# Altium PCB DIOT_SMA16.PcbDoc (part 6 of 6)
Units mm, origin at the board's own origin, x right, y up, seen from the top; angles counter-clockwise.
Board outline 222.37 x 100 mm, 6 copper layers (TopLayer, MidLayer1, MidLayer2, Layer 1, Layer 2, Bottom Layer), stack 1.556 mm thick; 440 components, 301 nets, 1807 pads, 862 vias.
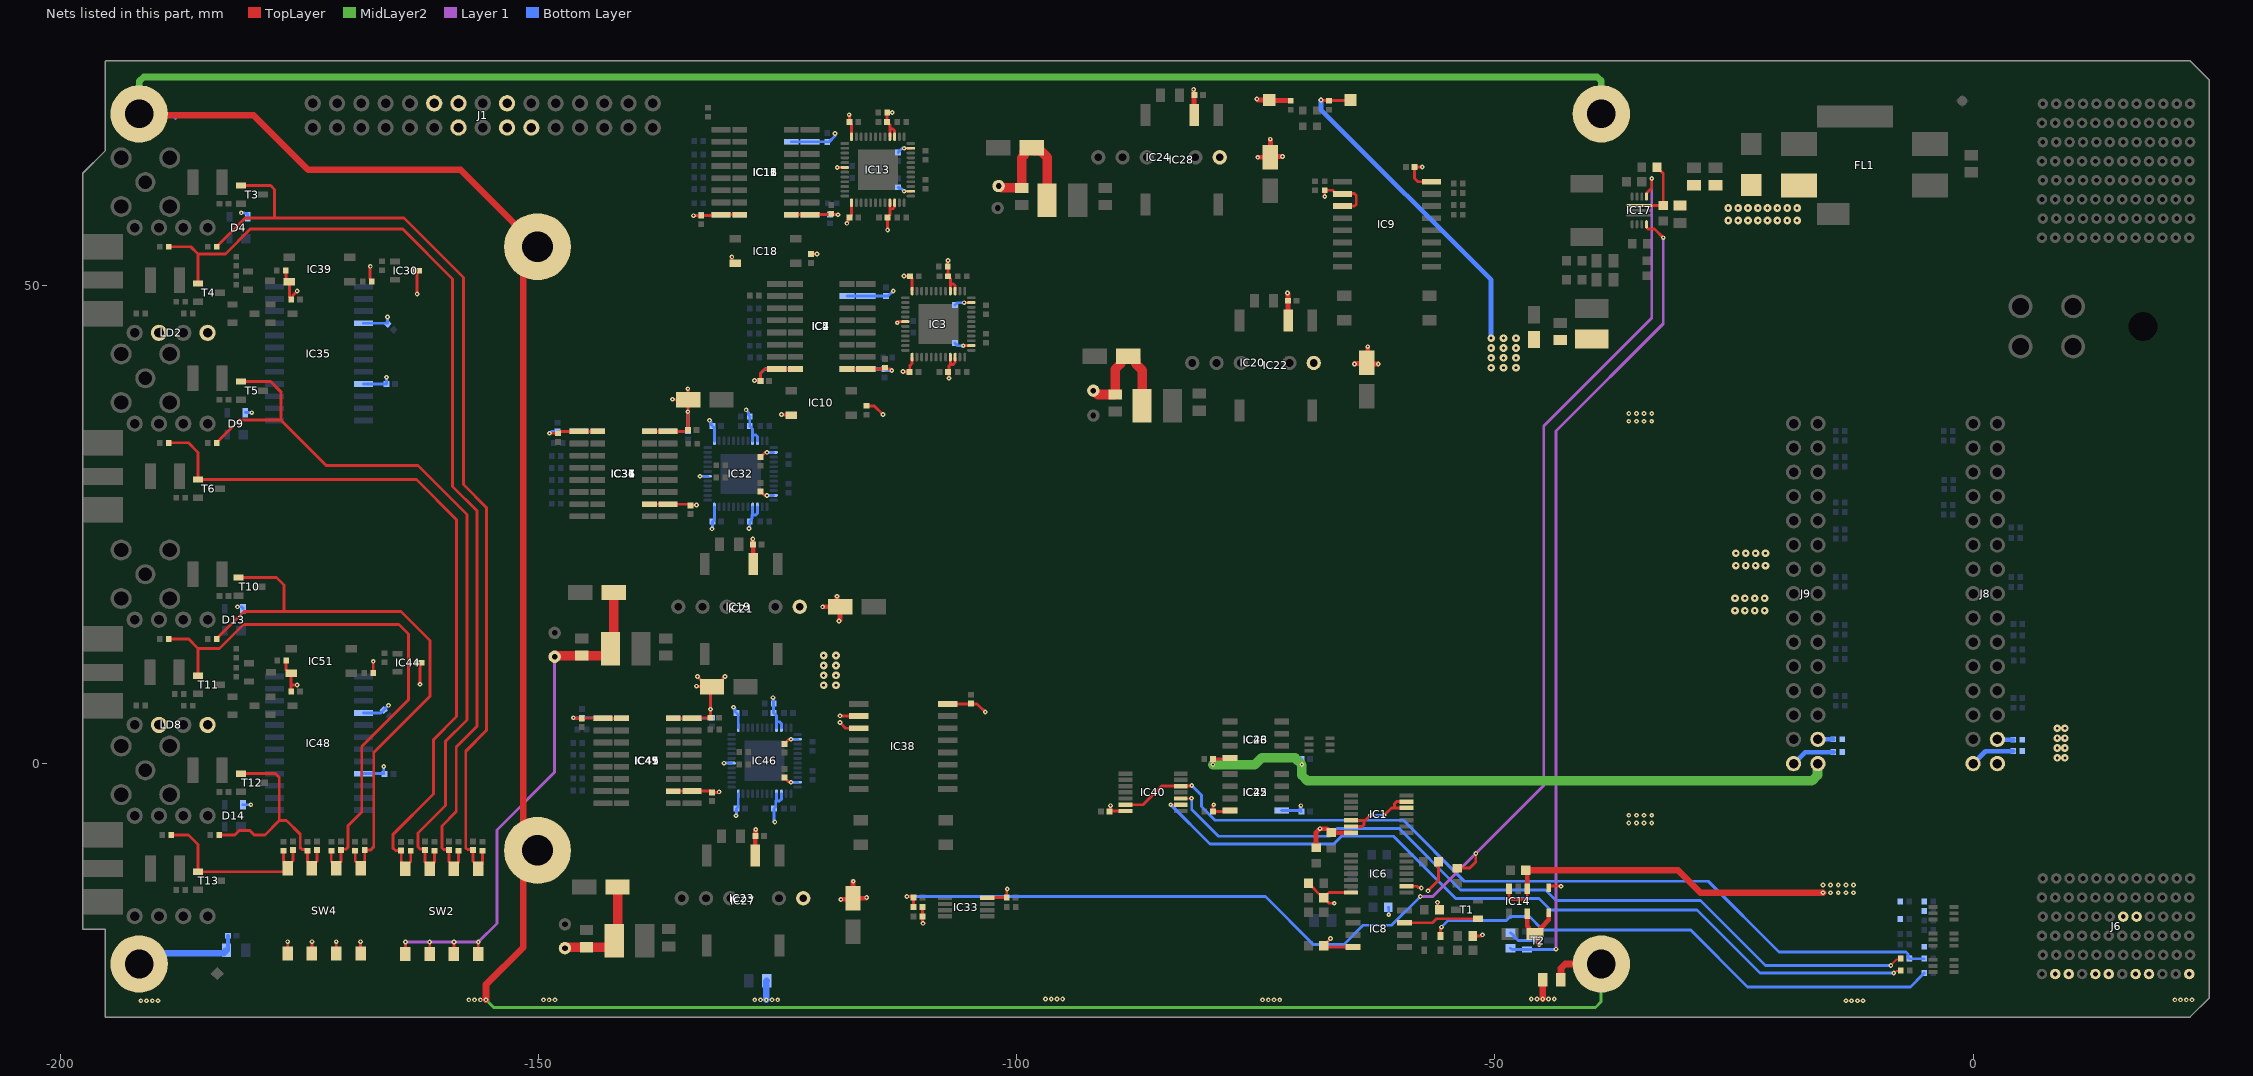
[diagram p10: the nets of this part, all layers, seen from the top]

## Via types
v1: diameter 0.5, hole 0.2, TopLayer to Bottom Layer, tented both sides, 762 vias
v2: diameter 0.8, hole 0.3, TopLayer to Bottom Layer, tented both sides, 100 vias

## Nets (pads, with @x,y where several pads share a name; then routed paths per layer and width w, separated by ;. In a path a pad name is that pad's centre, name@x,y a point inside that pad or via, vN(x,y) a via of type N, cw(c..) or ccw(c..) an arc to the next point about the centre after c; other vN are vias at no path point) (continued)
P3V3: C3.2 C4.2 C5.2 C6.2 C7.2 C9.2 C13.2 C15.2 C16.2 C17.2 C18.2 C19.2 C20.2 C21.2 C22.2 C23.1 C24.2 C25.2 C26.2 C27.2 C28.2 C29.2 C30.2 C31.2 C32.2 C33.1 C34.2 C35.2 C49.2 C50.2 C51.2 C52.2 C55.2 C56.2 C69.2 C70.2 C71.2 C72.2 C84.2 C85.1 C298.2 IC2.10 IC2.16 IC3.2 IC3.11 IC3.15 IC3.16 IC3.24 IC3.30 IC3.37 IC3.45 IC3.46 IC4.10 IC4.16 IC5.1 IC7.1 IC11.10 IC11.16 IC12.10 IC12.16 IC13.2 IC13.11 IC13.15 IC13.16 IC13.24 IC13.30 IC13.37 IC13.45 IC13.46 IC15.1 IC16.1 IC31.10 IC31.16 IC32.2 IC32.11 IC32.15 IC32.16 IC32.24 IC32.30 IC32.37 IC32.45 IC32.46 IC34.10 IC34.16 IC36.1 IC37.1 IC40.14 IC41.10 IC41.16 IC45.10 IC45.16 IC46.2 IC46.11 IC46.15 IC46.16 IC46.24 IC46.30 IC46.37 IC46.45 IC46.46 IC47.1 IC49.1 L9.2 R4.2 R19.2 R25.2 R50.2 R59.2 R99.2 R101.2 R193.2 R225.2 TP3.1 | length 185
  TopLayer w0.3: v1(-167.6,52) -167.623,51.977 -167.623,50.761 -167.611,50.749 -167.611,50.565 R99.2@-167.471,50.425 ; v1(-167.3,10.7) -167.29,10.69 R193.2@-167.29,9.475 ; IC31.10@-138.423,27.125 IC34.10@-136.473,27.125 -134.248,27.125 C32.2@-134.123,27 -134.098,27.025 -133.523,27.025 v1(-133.498,27.05) ; IC31.16@-138.423,34.745 IC34.16@-136.473,34.745 -134.503,34.745 C15.2@-134.373,34.875 -134.373,36.773 v1(-134.4,36.8) -134.373,36.827 C33.1@-134.373,38.05 ; v1(-136,38.1) -135.95,38.05 C33.1@-134.373,38.05 ; IC41.10@-135.923,-2.875 IC45.10@-133.967,-2.874 ; IC41.16@-135.923,4.745 IC45.16@-133.967,4.746 ; v1(-134.4,39.2) -134.373,39.173 C33.1@-134.373,38.05 ; IC45.10@-133.967,-2.874 -131.999,-2.874 C28.2@-131.873,-3 -131.173,-3 v1(-131.123,-2.95) ; IC45.16@-133.967,4.746 -133.912,4.8 C29.2@-132.023,4.8 v1(-132.023,5.684) -132.023,7.9 C23.1@-131.873,8.05 ; v1(-133.5,8.1) -133.45,8.05 C23.1@-131.873,8.05 ; v1(-133.4,9.1) -133,8.7 -132.523,8.7 C23.1@-131.873,8.05 ; v1(-130.5,9.1) -130.572,9.1 -130.748,8.924 -130.748,8.7 -131.398,8.05 C23.1@-131.873,8.05 ; C18.2@-126.8,28.45 -126.438,28.088 -126.161,28.088 v1(-126.123,28.05) ; C19.2@-126.8,32.05 -126.338,32.512 -126.161,32.512 v1(-126.123,32.55) ; C26.2@-124.3,-1.45 -123.838,-1.912 -123.661,-1.912 v1(-123.623,-1.95) ; C25.2@-124.3,2.05 -123.838,2.512 -123.661,2.512 v1(-123.623,2.55) ; IC15.1@-123.576,57.405 IC16.1@-121.626,57.405 -118.705,57.405 v1(-118.7,57.4) ; R50.2@-121.526,53.29 -120.91,53.29 v1(-120.9,53.3) ; v1(-118.776,62.35) IC13.30@-117.976,62.35 ; v1(-117.776,56.5) -117.636,56.64 -117.636,56.94 -117.276,57.3 IC13.37@-117.276,58.65 ; IC5.1@-117.749,41.272 IC7.1@-115.799,41.272 -113.8,41.272 -113.226,41.272 v1(-113.074,41.119) ; v1(-117.526,67.85) -117.476,67.8 C49.2@-117.476,67.1 -117.276,66.9 IC13.24@-117.276,65.55 ; R19.2@-115.699,37.407 -115.692,37.4 -114.9,37.4 v1(-114,36.5) ; C70.2@-113.551,57.125 -113.276,57.4 -113.276,58.025 ; C70.2@-113.526,57.1 -113.526,55.826 v1(-113.5,55.8) ; IC13.45@-113.276,58.65 -113.276,58.025 ; IC13.16@-113.276,65.55 -113.276,66.379 ; v1(-113.026,68.1) R25.2@-113.556,68.1 -113.576,68.08 C51.2@-113.576,67.1 -113.276,66.8 -113.276,66.379 ; IC13.46@-112.776,58.65 -112.776,58.201 -112.951,58.025 -113.276,58.025 ; IC13.15@-112.776,65.55 -112.776,66.174 -112.951,66.35 -113.246,66.35 -113.276,66.379 ; v1(-112.5,46.1) -112.383,46.217 IC3.30@-111.649,46.217 ; v1(-111.9,41) -111.867,40.967 C3.2@-111.199,40.967 -111.2,40.968 -111.2,41.6 -110.949,41.851 IC3.37@-110.949,42.517 ; v1(-111.8,51) -111.767,50.967 C50.2@-111.149,50.967 -110.949,50.767 IC3.24@-110.949,49.417 ; v1(-111.776,59.85) IC13.2@-111.076,59.85 ; v1(-111.776,64.35) IC13.11@-111.076,64.35 ; v1(-107.2,52.6) -107.229,52.571 R4.2@-107.229,51.967 -107.199,51.937 C7.2@-107.199,50.967 -106.949,50.717 -106.949,50.067 ; v1(-107.1,40.3) -107.1,40.868 C6.2@-107.199,40.967 -107.1,41.065 -107.1,41.6 -106.949,41.751 ; IC3.45@-106.949,42.517 -106.949,41.751 ; IC3.16@-106.949,49.417 -106.949,50.067 ; IC3.46@-106.449,42.517 -106.449,41.951 -106.649,41.751 -106.949,41.751 ; IC3.15@-106.449,49.417 -106.449,49.967 -106.624,50.142 -106.873,50.142 -106.949,50.067 ; v1(-105.6,43.7) -105.583,43.717 IC3.2@-104.749,43.717 ; v1(-105.5,48.2) -105.065,48.2 -105.049,48.217 IC3.11@-104.749,48.217 ; C298.2@-90.3,-5 C298.2@-90.25,-4.95 ; v1(-90.2,-4.4) -90.222,-4.422 -90.222,-4.922 C298.2@-90.25,-4.95 ; IC40.14@-88.65,-4.95 C298.2@-90.25,-4.95 ; v1(-68.2,69.4) -68.14,69.34 R225.2@-67.35,69.34 -65.16,69.34 TP3.1@-65.1,69.4
  Bottom Layer w0.3: IC36.1@-138.423,34.745 IC37.1@-136.473,34.745 -134.428,34.745 C22.2@-134.373,34.8 -134.4,34.827 v1(-134.4,36.8) ; IC47.1@-135.923,4.745 IC49.1@-133.973,4.745 -131.928,4.745 C30.2@-131.873,4.8 -132.023,4.95 v1(-132.023,5.684) ; v1(-133.123,30.05) IC32.30@-132.323,30.05 ; v1(-132.123,35.9) -131.983,35.76 -131.983,35.46 C21.2@-131.823,35.3 -131.623,35.1 IC32.37@-131.623,33.75 ; v1(-131.873,24.55) -131.823,24.6 C16.2@-131.823,25.3 -131.623,25.5 IC32.24@-131.623,26.85 ; v1(-130.623,0.05) IC46.30@-129.823,0.05 ; v1(-129.623,5.9) -129.483,5.76 -129.483,5.46 C31.2@-129.323,5.3 -129.123,5.1 IC46.37@-129.123,3.75 ; v1(-129.373,-5.45) -129.323,-5.4 C24.2@-129.323,-4.7 -129.123,-4.5 IC46.24@-129.123,-3.15 ; v1(-128.3,37) -128.3,36.981 -128.043,36.724 -128.043,36.44 R59.2@-127.903,36.3 -127.923,36.28 C20.2@-127.923,35.3 -127.623,35 -127.623,34.375 ; v1(-128,24.6) -127.923,24.677 C17.2@-127.923,25.3 -127.763,25.46 -127.763,25.573 -127.7,25.636 -127.7,26 ; IC32.16@-127.623,26.85 -127.623,26.077 -127.7,26 ; IC32.45@-127.623,33.75 -127.623,34.375 ; IC32.15@-127.123,26.85 -127.123,26.177 -127.3,26 -127.7,26 ; IC32.46@-127.123,33.75 -127.123,34.199 -127.299,34.375 -127.623,34.375 ; v1(-126.123,28.05) IC32.11@-125.423,28.05 ; v1(-126.123,32.55) IC32.2@-125.423,32.55 ; v1(-125.5,6.9) -125.433,6.833 R101.2@-125.433,6.3 -125.423,6.29 C27.2@-125.423,5.3 -125.123,5 -125.123,4.375 ; v1(-125.3,-6.1) -125.373,-6.027 C69.2@-125.373,-4.7 -125.213,-4.54 -125.213,-4.377 -125.2,-4.364 -125.2,-3.9 ; IC46.16@-125.123,-3.15 -125.123,-3.823 -125.2,-3.9 ; IC46.45@-125.123,3.75 -125.123,4.375 ; IC46.15@-124.623,-3.15 -124.623,-3.724 -124.799,-3.9 -125.2,-3.9 ; IC46.46@-124.623,3.75 -124.623,4.199 -124.799,4.375 -125.123,4.375 ; v1(-123.623,-1.95) IC46.11@-122.923,-1.95 ; v1(-123.623,2.55) IC46.2@-122.923,2.55 ; IC11.16@-123.576,57.405 IC12.16@-121.626,57.405 -118.705,57.405 v1(-118.7,57.4) ; IC11.10@-123.576,65.025 IC12.10@-121.626,65.025 C13.2@-119.817,65.025 -119.617,65.025 -119,65.642 v1(-119,65.9) ; IC2.16@-117.749,41.272 IC4.16@-115.799,41.272 C34.2@-113.834,41.272 -113.668,41.106 v1@-113.087,41.106 ; IC2.10@-117.749,48.892 IC4.10@-115.799,48.892 -113.458,48.892 v1(-112.916,49.434) ; C72.2@-112.401,60.275 -112.241,60.115 -112.041,60.115 v1(-111.776,59.85) ; C52.2@-112.401,63.925 -112.014,64.312 -111.814,64.312 v1(-111.776,64.35) ; C5.2@-106.449,43.967 -106.182,43.7 v1(-105.6,43.7) ; C4.2@-106.449,47.967 -106.215,48.2 v1(-105.5,48.2)
  Bottom Layer w0.5: v1(-68.2,69.4) -68.2,68.4 -50.4,50.6 v2(-50.4,44.5)
  other v2: -50.4,41.4 -49.1,41.4 -47.8,41.4 -50.4,42.433 -49.1,42.433 -47.8,42.433 -50.4,43.467 -49.1,43.467 -47.8,43.467 -49.1,44.5 -47.8,44.5
P3V3_DIOT: C1.2 C10.2 C14.2 C102.1 D11.2 IC1.14 IC6.2 IC6.14 IC8.8 IC14.5 R2.1 R28.2 R30.1 R32.1 R39.1 R40.2 R46.1 | length 34.6
  TopLayer w0.3: R30.1@-69.5,-12.525 -69.5,-12.575 -69.2,-12.875 -69.142,-12.875 -68.342,-13.675 -68.225,-13.675 C1.2@-67.9,-14 ; C1.2@-67.9,-14.05 -67.675,-14.275 -67.65,-14.275 -67.325,-14.6 v1(-66.8,-14.6) ; C1.2@-67.9,-14.025 C1.2@-67.9,-14 ; v1(-67.2,-18.3) -67.575,-18.675 -67.9,-19 C10.2@-67.9,-19.025 -67.745,-19.18 IC8.8@-64.85,-19.18 ; IC6.14@-65.05,-13.475 -67.35,-13.475 -67.55,-13.675 -67.575,-13.675 C1.2@-67.9,-14 ; IC6.2@-59.25,-12.825 -58.172,-12.825 -58.035,-12.962 -57.738,-12.962 v1(-57.7,-13) ; v1(-57,-13.3) -55.9,-12.2 R46.1@-55.9,-10.275 ; v1(-55.999,-14.501) -55.999,-15.076 R32.1@-55.8,-15.275 ; R39.1@-52.3,-18.025 -51.425,-18.025 v1(-51.3,-17.9)
  TopLayer w0.5: R2.1@-68.7,-8.8 -68.7,-7.2 v1(-68.3,-6.8) -67.525,-6.8 -67.1,-7.225 IC1.14@-65.05,-7.225 ; IC14.5@-46.625,-15.702 -46.625,-17 -46.475,-17.15 -46.475,-17.425 -46.1,-17.8 C102.1@-45.775,-17.8 ; v1(-45.361,-18.916) -45.396,-18.882 -45.396,-18.175 -45.771,-17.8 C102.1@-45.775,-17.8 ; D11.2@-44.375,-15.6 -44.375,-16.35 -45.175,-17.15 -45.175,-17.425 -45.55,-17.8 C102.1@-45.775,-17.8
  Bottom Layer w0.3: R28.2@-61.15,-15.025 -61.101,-15.074 v1@-61.101,-15.799 ; R40.2@-48.375,-17.7 -48.325,-17.7 -48.025,-18 -48.025,-18.05 -47.575,-18.5 -45.778,-18.5 v1(-45.361,-18.916)
  other v1: -61.1,-15.8
P3V3_MP: C2.2 C88.2 C219.2 C245.2 C306.2 D11.1 IC9.2 IC9.3 IC9.16 IC25.8 IC33.8 IC38.2 IC38.3 IC38.16 IC42.8 J8.30 R55.1 R186.2 R187.2 | length 30.4
  TopLayer w0.3: v1(-118.5,4.3) -117.905,3.705 IC38.3@-116.523,3.705 ; v1(-118.5,5) -118.475,4.975 IC38.2@-116.523,4.975 ; R187.2@-109.86,-15 R186.2@-109.86,-16 -109.86,-16.64 v1(-109.8,-16.7) ; IC38.16@-107.223,6.245 -104.145,6.245 v1(-103.3,5.4) ; IC33.8@-103.1,-14.025 -103.075,-14 C245.2@-101.05,-14 -101.05,-13.15 v1(-101,-13.1) ; v1(-79.4,-4.3) -79.5,-4.4 C306.2@-79.5,-5 -77.795,-5 IC42.8@-77.7,-4.905 ; v1(-67.8,59.3) R55.1@-67.8,59.96 -66.976,59.96 -66.8,59.784 -66.8,59.725 -66.65,59.575 IC9.2@-65.95,59.575 -65.925,59.6 -64.7,59.6 -64.5,59.4 -64.5,58.481 -64.676,58.305 IC9.3@-65.95,58.305 ; v1(-57.6,62.4) C2.2@-58.4,62.4 -58.4,61.2 -58.199,60.999 -58.045,60.845 IC9.16@-56.65,60.845 ; D11.1@-44.375,-13 -44.375,-12.9 -44.275,-12.8 -43.12,-12.8 v1(-43.1,-12.82)
  Bottom Layer w0.3: IC25.8@-72.3,-4.905 -70.345,-4.905 C219.2@-70.3,-4.95 ; v1(-70.3,-4.4) C219.2@-70.3,-4.95 ; C219.2@-70.25,-5 C219.2@-70.3,-4.95
  other v1: -36,-6.2 -35.2,-6.2 -34.4,-6.2 -33.6,-6.2 -36,-5.4 -35.2,-5.4 -34.4,-5.4 -33.6,-5.4 -36,35.8 -35.2,35.8 -34.4,35.8 -33.6,35.8 -36,36.6 -35.2,36.6 -34.4,36.6 -33.6,36.6
P3V3_MP2: C220.2 C307.2 IC26.8 IC43.8 J9.30 | length 71.8
  TopLayer w0.3: v1(-79.5,-0.1) C307.2@-79.5,0.5 -77.795,0.5 IC43.8@-77.7,0.595
  MidLayer2 w1: v1(-79.5,-0.1) -75.1,-0.1 -74.4,0.6 -70.9,0.6 v1(-70.2,-0.1) -70.2,-1.214 -69.614,-1.8 -16.855,-1.8 -16.269,-1.214 -16.269,-0.04 J9.30@-16.23,-0.001
  Bottom Layer w0.3: IC26.8@-72.3,0.595 -70.345,0.595 C220.2@-70.25,0.5 -70.216,0.466 -70.216,-0.084 v1(-70.2,-0.1)
P5V0_ISO1: B3.1 C39.2 C41.2 C42.2 C43.2 C44.1 C45.2 C89.2 D4.4 D9.4 IC30.3 IC31.1 IC34.1 IC35.16 IC35.21 IC36.16 IC37.16 IC39.6 L1.1 LD2.2 LD2.4 R90.2 SW2.1 SW2.2 SW2.3 SW2.4 | length 83.1
  TopLayer w0.3: R90.2@-176.433,51.55 -176.433,50.655 -176.183,50.405 IC39.6@-176.061,50.405 -176.061,48.738 C39.2@-175.873,48.55 -175.713,48.71 -175.713,48.96 v1(-175.248,49.425) ; SW2.1@-163.933,-19.9 v1(-163.933,-18.667) ; IC30.3@-162.723,51.55 -162.723,49.123 v1(-162.7,49.1) ; SW2.2@-161.393,-19.9 v1(-161.393,-18.667) ; SW2.3@-158.853,-19.9 v1(-158.853,-18.667) ; SW2.4@-156.313,-19.9 v1(-156.313,-18.667) ; v1(-148.873,34.55) C41.2@-147.993,34.55 -147.833,34.71 -147.692,34.71 -147.657,34.745 IC34.1@-145.773,34.745 IC31.1@-143.823,34.745
  TopLayer w1: B3.1@-148.328,11.175 -148.247,11.175 -148.122,11.3 C45.2@-145.5,11.3 -143,11.3 -142.5,11.8 L1.1@-142.5,12 -142.15,12.35 C44.1@-142.15,17.9
  Layer 1 w0.3: v1(-163.933,-18.667) v1(-161.393,-18.667) v1(-158.853,-18.667) v1(-156.313,-18.667) -154.366,-16.72 -154.366,-6.945 -148.328,-0.907 B3.1@-148.328,11.175
  Bottom Layer w0.3: v1(-181.1,57.6) -180.823,57.6 -180.773,57.55 -180.573,57.55 -180.423,57.4 D4.4@-180.423,57.2 ; D9.4@-180.673,36.7 v1(-180,36.7) ; IC35.21@-168.323,39.7 C43.2@-165.9,39.7 v1(-165.9,40.4) ; IC35.16@-168.323,46.05 -165.8,46.05 v1(-165.8,46.7) ; v1(-148.873,34.55) -148.819,34.55 -148.624,34.745 IC37.16@-145.773,34.745 IC36.16@-143.823,34.745
P5V0_ISO2: B7.1 C60.2 C61.2 C62.2 C63.2 C64.1 C65.2 C92.2 D13.4 D14.4 IC41.1 IC44.3 IC45.1 IC47.16 IC48.16 IC48.21 IC49.16 IC51.6 L3.1 LD8.2 LD8.4 R189.2 SW4.1 SW4.2 SW4.3 SW4.4 | length 41
  TopLayer w0.3: R189.2@-176.403,10.8 -176.403,9.778 -176.08,9.455 IC51.6@-175.88,9.455 -175.88,7.55 C60.2@-175.873,7.55 -175.868,7.555 -175.868,8.23 v1(-175.254,8.23) ; SW4.1@-176.243,-19.85 v1(-176.243,-18.617) ; SW4.2@-173.703,-19.85 v1(-173.703,-18.617) ; SW4.3@-171.163,-19.85 v1(-171.163,-18.617) ; SW4.4@-168.623,-19.85 v1(-168.623,-18.617) ; IC44.3@-162.473,10.55 -162.407,10.484 -162.407,8.307 v1(-162.4,8.3) ; v1(-146.373,4.8) -146.281,4.708 C61.2@-145.493,4.708 -145.455,4.746 IC45.1@-143.267,4.746 IC41.1@-141.323,4.745
  TopLayer w1: B7.1@-147.25,-19.3 -147.169,-19.3 -147.069,-19.2 C65.2@-145,-19.2 -142.6,-19.2 -142.1,-18.7 L3.1@-142.1,-18.5 -141.75,-18.15 C64.1@-141.75,-12.9
  Bottom Layer w0.3: v1(-181.5,16.4) -181.073,16.4 -180.923,16.25 D13.4@-180.923,16.2 ; D14.4@-180.923,-4.3 v1(-180.1,-4.3) ; IC48.21@-168.323,-1.05 -166.2,-1.05 v1(-166.2,-0.3) ; IC48.16@-168.323,5.3 -166.5,5.3 C62.2@-166.2,5.6 v1(-165.7,6.1) ; v1(-146.373,4.8) -143.328,4.8 IC49.16@-143.273,4.745 IC47.16@-141.323,4.745
P5V0_ISO3: B4.1 C53.1 C54.2 C90.2 C91.2 IC2.1 IC4.1 IC5.16 IC7.16 IC10.6 J1.12 J1.13 J1.14 L2.1 | length 25.1
  TopLayer w0.3: v1(-127.436,40.063) -127.423,40.05 -126.85,40.05 C90.2@-126.8,40 -126.8,40.854 -126.382,41.272 IC7.16@-125.099,41.272 IC5.16@-123.149,41.272 ; v1(-124.6,36.5) -124.547,36.447 IC10.6@-123.599,36.447
  TopLayer w1: B4.1@-92,39 -91.919,39 -91.519,38.6 C54.2@-89.7,38.6 -89.7,41.25 -89.125,41.825 -89.125,42.3 -88.825,42.6 C53.1@-88.35,42.6 -87.875,42.6 -87.575,42.3 -87.575,41.825 -86.9,41.15 L2.1@-86.9,37.4
  Bottom Layer w0.3: v1(-127.436,40.063) -126.863,40.063 C91.2@-126.8,40 -126.8,40.8 -126.328,41.272 IC4.1@-125.099,41.272 IC2.1@-123.149,41.272
P5V0_ISO4: B8.1 C73.1 C74.2 C93.2 C94.2 IC11.1 IC12.1 IC15.16 IC16.16 IC18.6 J1.17 J1.18 J1.19 L4.1 | length 25.9
  TopLayer w0.3: v1(-133.8,57.3) C94.2@-133,57.3 -131.031,57.3 IC16.16@-130.926,57.405 IC15.16@-128.976,57.405 -128.55,57.405 IC15.16@-128.4,57.255 ; v1(-129.8,53) -129.796,52.996 -129.796,52.58 -129.546,52.33 IC18.6@-129.426,52.33
  TopLayer w1: B8.1@-101.9,60.4 -101.819,60.4 -101.619,60.2 C74.2@-99.5,60.2 -99.5,63.35 -99.225,63.625 -99.225,64.1 -98.925,64.4 C73.1@-98.45,64.4 -98.15,64.1 -97.5,64.1 -96.83,63.43 L4.1@-96.83,58.9
  Bottom Layer w0.3: v1(-133.8,57.3) -133.05,57.3 C93.2@-133,57.35 -130.981,57.35 IC12.1@-130.926,57.405 IC11.1@-128.976,57.405 -128.55,57.405 IC11.1@-128.4,57.255
P12V0: C36.1 C37.2 C46.1 C47.2 C57.1 C58.2 C66.1 C67.2 C86.2 C87.2 C262.2 C263.2 D10.1 FL1.2 IC17.1 IC19.1 IC20.1 IC21.3 IC22.3 IC23.1 IC24.1 IC27.3 IC28.3 J8.28 J8.29 J9.28 J9.29 R154.1 R224.2 R257.2 R260.2 R261.2 R262.2 TP2.1 | length 52.1
  TopLayer w0.3: IC17.1@-34.9,58.35 C86.2@-32.4,58.35 -32.4,61.7 -32.7,62 -32.75,62 -33.05,62.3 R154.1@-33.05,62.35
  TopLayer w0.5: v1(-127.6,23.5) -127.6,22.947 C58.2@-127.578,22.925 -127.558,22.905 IC21.3@-127.558,20.875 ; IC27.3@-127.353,-9.625 -127.353,-7.605 C37.2@-127.323,-7.575 -127.309,-7.561 -127.309,-6.909 v1(-127.3,-6.9) ; v1(-120.3,16.4) C36.1@-118.45,16.4 ; v1(-118.8,17.5) -118.8,16.75 C36.1@-118.45,16.4 ; v1(-118.6,14.9) -118.5,15 -118.5,16.35 C36.1@-118.45,16.4 ; v1(-118.4,-14.2) -118.38,-14.18 -117.228,-14.18 C57.1@-117.123,-14.075 ; v1(-117.1,-12.3) -117.123,-12.323 C57.1@-117.123,-14.075 ; v1(-115.7,-14) -115.775,-14.075 C57.1@-117.123,-14.075 ; v1(-81.5,70.48) -81.5,70.236 -81.49,70.226 -81.49,69.96 C67.2@-81.43,69.9 -81.46,69.87 IC28.3@-81.46,67.85 ; v1(-74.9,69.5) -74.8,69.4 TP2.1@-73.6,69.4 -73.54,69.34 R224.2@-71.35,69.34 ; v1(-74.8,63.4) C66.1@-73.48,63.4 ; v1(-73.5,65.3) -73.48,65.28 C66.1@-73.48,63.4 ; v1(-72.2,63.5) -72.223,63.477 -73.403,63.477 C66.1@-73.48,63.4 ; v1(-71.7,49.2) -71.65,49.15 C47.2@-71.65,48.4 -71.63,48.38 IC22.3@-71.63,46.35 ; v1(-64.7,41.8) -64.657,41.843 -63.457,41.843 C46.1@-63.4,41.9 ; v1(-63.3,43.6) -63.3,42 C46.1@-63.4,41.9 ; v1(-62.2,41.8) -63.3,41.8 C46.1@-63.4,41.9
  Bottom Layer w0.5: J9.29@-18.77,-0.001 -17.569,1.2 R261.2@-14.6,1.2 ; J9.28@-16.23,2.539 -16.219,2.55 R262.2@-14.623,2.55 ; J8.29@0,0 1.3,1.3 R260.2@4.2,1.3 ; J8.28@2.54,2.54 2.58,2.5 R257.2@4.2,2.5
  other v2: -120.2,8.2 -118.9,8.2 -120.2,9.233 -118.9,9.233 -120.2,10.267 -118.9,10.267 -120.2,11.3 -118.9,11.3 -24.9,16 -23.867,16 -22.833,16 -21.8,16 -24.9,17.3 -23.867,17.3 -22.833,17.3 -21.8,17.3 -24.8,20.7 -23.767,20.7 -22.733,20.7 -21.7,20.7 -24.8,22 -23.767,22 -22.733,22 -21.7,22 -25.6,56.8 -24.567,56.8 -23.533,56.8 -22.5,56.8 -21.5,56.8 -20.467,56.8 -19.433,56.8 -18.4,56.8 -25.6,58.1 -24.567,58.1 -23.533,58.1 -22.5,58.1 -21.5,58.1 -20.467,58.1 -19.433,58.1 -18.4,58.1
P12V0_DIOT: C40.2 IC14.1 IC14.3 J6.A1 J6.D1 J6.E1 J6.G1 J6.H1 J6.J1 J6.K1 R257.1 R260.1 R261.1 R262.1 | length 37.9
  TopLayer w0.3: IC14.3@-48.525,-13.102 -48.525,-13.975 -48.3,-14.2 -46.801,-14.2 -46.625,-14.024 IC14.1@-46.625,-13.102
  TopLayer w0.5: C40.2@-46.775,-11.152 -46.625,-11.302 IC14.1@-46.625,-13.102
  TopLayer w0.7: C40.2@-46.775,-11.152 -30.848,-11.152 -28.5,-13.5 v1(-15.7,-13.5)
  other v1: -14.9,-13.5 -14.1,-13.5 -13.3,-13.5 -12.5,-13.5 -15.7,-12.7 -14.9,-12.7 -14.1,-12.7 -13.3,-12.7 -12.5,-12.7
  other v2: 8.8,0.6 9.6,0.6 8.8,1.633 9.6,1.633 8.8,2.667 9.6,2.667 8.8,3.7 9.6,3.7
PE_CLK_N: J6.F4
PE_CLK_P: J6.E4
PGOOD: IC17.7 R40.1 T2.1 | length 86.4
  TopLayer w0.3: IC17.7@-34.15,56.4 -34.15,56.076 -33.974,55.9 -33.3,55.9 v1(-32.4,55)
  Layer 1 w0.3: v1(-43.6,-19.4) -43.6,-13.035 -43.62,-13.015 -43.62,-12.585 -43.6,-12.565 -43.6,34.8 -32.4,46 v1(-32.4,55)
  Bottom Layer w0.3: R40.1@-48.375,-19.3 -48.225,-19.45 -43.704,-19.45 -43.654,-19.4 v1(-43.6,-19.4)
PSU_EN: IC17.8 R33.2 R187.1 R188.2 | length 150.7
  TopLayer w0.3: v1(-111.5,-13.9) -111.494,-13.906 -110.894,-13.906 R188.2@-110.8,-14 R187.1@-110.8,-15 ; R33.2@-53.95,-10.925 -52.625,-10.925 -52,-10.3 v1(-52,-9.4) ; IC17.8@-34.15,59.3 -34.15,59.65 -33.6,60.2 v1(-33.6,61.2)
  Layer 1 w0.3: v1(-57.8,-13.9) -56.5,-13.9 v1(-52,-9.4) -44.9,-2.3 -44.9,35.3 -33.6,46.6 v1(-33.6,61.2)
  Bottom Layer w0.3: v1(-111.5,-13.9) -74,-13.9 -69,-18.9 -65.8,-18.9 -63.8,-16.9 -60.8,-16.9 v1(-57.8,-13.9)
RST: IC8.3 T1.1 | length 7.9
  TopLayer w0.3: IC8.3@-59.45,-16.64 -56.54,-16.64 -56.125,-16.225 T1.1@-51.75,-16.225
RSTn: D1.1 R133.1 | length 55.6
  TopLayer w0.3: D1.1@-55.7,-18.025 -55.7,-17.254 -55.6,-17.154 v1(-55.6,-17.1)
  Bottom Layer w0.3: v1(-55.6,-17.1) -54.9,-16.4 -48.8,-16.4 -48.4,-16 -46.4,-16 -45,-17.4 -29.527,-17.4 -23.574,-23.353 -6.553,-23.353 -5.26,-22.06 -5.24,-22.06 -5.1,-21.92 R133.1@-5.1,-21.9
SERVMOD: IC1.5 IC1.6 IC1.12 IC1.13 | length 10
  TopLayer w0.3: IC1.13@-65.05,-6.575 -63.875,-6.575 -63.7,-6.4 -63.7,-5.925 ; IC1.12@-65.05,-5.925 -63.7,-5.925 ; v1(-63,-5.4) -63.525,-5.925 -63.7,-5.925 ; v1(-61.6,-5.4) -60.825,-4.625 -60.5,-4.625 ; IC1.5@-59.25,-4.625 -60.5,-4.625 ; IC1.6@-59.25,-3.975 -60.275,-3.975 -60.5,-4.2 -60.5,-4.625
  Bottom Layer w0.3: v1(-63,-5.4) v1(-61.6,-5.4)
SERVMOD_3V3: IC40.5 IC40.13 R1.2 R138.1 | length 92.8
  TopLayer w0.3: IC40.13@-88.65,-4.3 -86.8,-4.3 -84.85,-2.35 IC40.5@-82.85,-2.35 -81.75,-2.35 v1(-81.7,-2.3)
  Bottom Layer w0.3: v1(-81.7,-2.3) -80.7,-3.3 -80.7,-4.5 -79.275,-5.925 -59.575,-5.925 -53.2,-12.3 -27.7,-12.3 -20.312,-19.688 -7.012,-19.688 -6.798,-19.902 -6.798,-20.262 R1.2@-6.66,-20.4 R138.1@-5.1,-20.4